# KiCad board panel.kicad_pcb (continued)
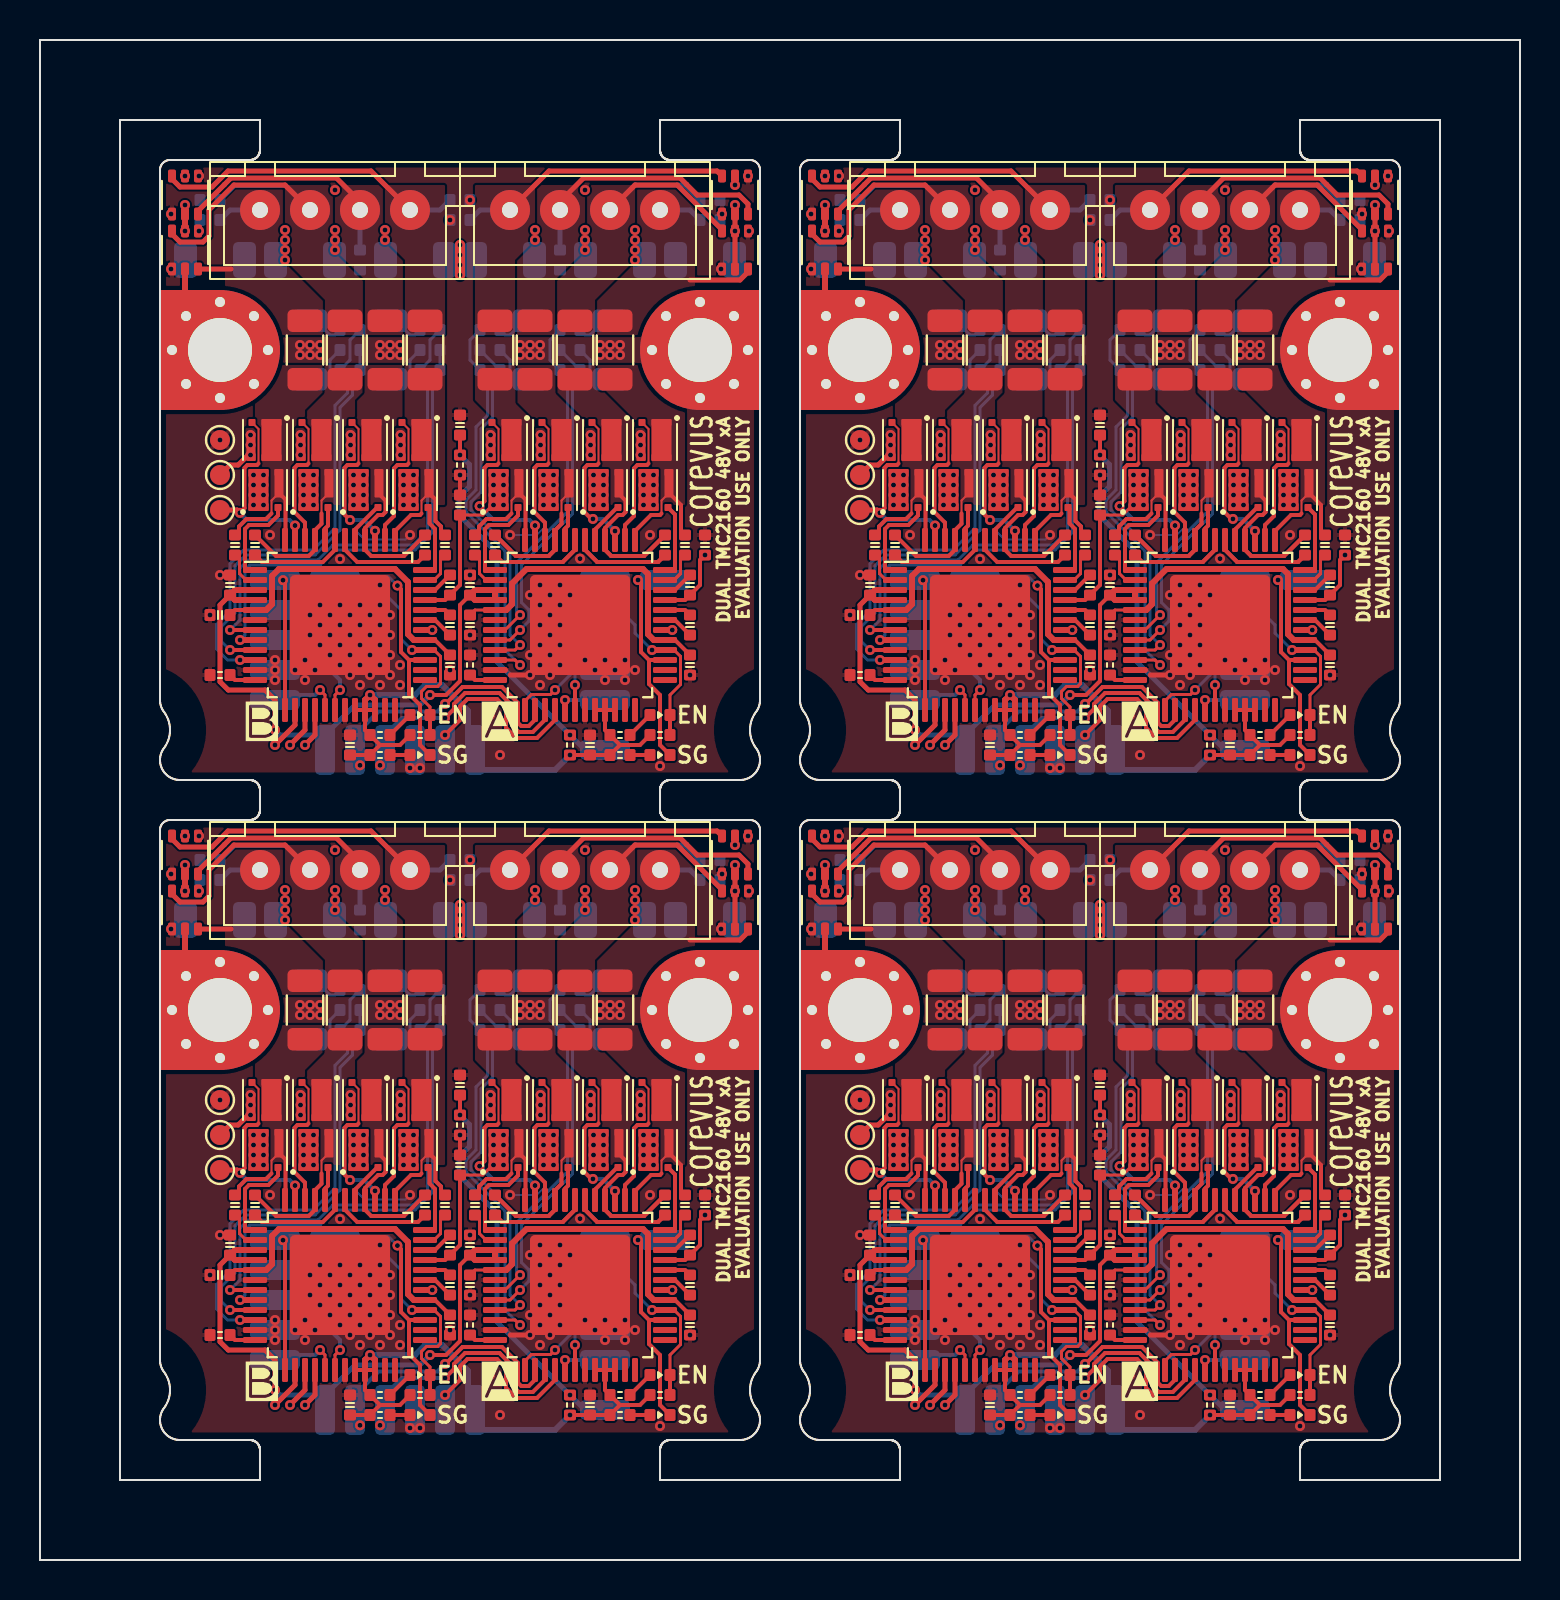
[diagram p0: board, top side]
## Routing (per net, layer and track width the routed paths; a pad name or vN(x,y) marks a point on that pad's centre or on a via; arc(x,y) is an arc through that point) (continued)
  Top w0.25: v1(41.99,52.36) 41.85,52.5 TP5#4.1
  Bottom w0.2: v1(44.75,51.72) 44.47,52 42.35,52 v1(41.99,52.36)
Board_1-/_{MB}LB2: length 6.8
  Top w0.1: Q12#2.3 45.43,56.55 45.43,54.82
  Top w0.2: 45.43,54.82 45.35,54.75 44.87,54.75 44.72,54.6 44.72,52.4 45.25,51.87 U2.46
Board_1-/_{MB}SRAH: length 23.8
  Top w0.2: U2.8 v1(42,46)
  Bottom w0.15: R19#2.2 C41.2 51.62,59.13 51.62,51.37 50.75,50.5 46.75,50.5 46,49.75 42.5,49.75 42.25,49.5 42.25,46.25 v1(42,46)
Board_1-/_{MB}SRAL: length 25.3
  Top w0.2: U2.7 v1(41.5,46.5)
  Bottom w0.15: v1(41.5,46.5) 42,47 42,49.6 42.4,50 45.9,50 46.65,50.75 50.65,50.75 51.38,51.48 51.38,59.13 C41.1 51.5,60 51.5,61 R21#4.2
Board_1-/_{MB}SRBH: length 21.2
  Top w0.2: U2.9 v1(41.5,45.5)
  Bottom w0.15: 48,60.38 C33#2.2 47.62,59.13 47.62,58.25 47,57.62 47,51.5 45.75,50.25 42.29,50.25 41.75,49.71 41.75,47.35 41.07,46.68 41.07,45.92 v1(41.5,45.5)
Board_1-/_{MB}SRBL: length 23.4
  Top w0.2: U2.10 v1(42,45)
  Bottom w0.15: v1(42,45) 41.38,45 40.82,45.55 40.82,46.78 41.5,47.45 41.5,49.81 42.19,50.5 45.65,50.5 46.75,51.6 46.75,57.73 47.38,58.35 47.38,59.12 C33#2.1 47.5,60 47.5,61 R15#2.2
Board_1-/_{MB}Stall: length 13.4
  Top w0.2: v1(49.87,48.72) 50.05,48.54 50.05,45.4 50.45,45 ; 50.45,45 50.45,43.3 51,42.75 51,40.75 D6#3.1 ; 50.45,45 U2.27
  Bottom w0.15: 46.75,48.75 47.18,49.17 49.42,49.17 v1(49.87,48.72)
Board_1-/_{MB}Step: length 2.9
  Top w0.15: U2.17 46.25,43.25 v1(46,43.5)
  Bottom w0.2: 44.5,42.75 45,43.25 45.75,43.25 v1(46,43.5)
Board_1-/_{MB}~{CS}: length 6.5
  Top w0.2: v1(44.15,48.99) 44.25,48.89 U2.13
Board_1-/_{MB}~{En}: length 15.5
  Top w0.15: D5#3.1 51.5,42.65 51.07,43.07 51.07,43.43 51.32,43.67 51.88,43.67 52.03,43.82 52.03,45.18 51.71,45.5 U2.28 v1(50.6,45.5)
  Top w0.2: R4#4.2 D5#3.1
  Bottom w0.15: T19.1 44.5,47.5 45.25,48.25 49.3,48.25 50.05,47.5 50.05,46.05 v1(50.6,45.5)
Board_1-/SCK: length 19.1
  Top w0.2: U1#3.14 56.75,42.01 56.44,41.7 56.06,41.7 55.9,41.86 55.9,42.85 55.1,43.65 53.13,43.65 52.28,42.8 v1(52.25,42.8)
  Top w0.25: v1(43.75,40.75) 44.75,41.75 U2.14
  In4.Cu w0.2: v1(43.75,40.75) 44.55,39.95 47.79,39.95 v1(48,39.74)
  Bottom w0.2: 47.75,41 47.75,41.25 48.93,42.42 51.88,42.42 v1(52.25,42.8)
Board_1-/SDI: length 18.4
  Top w0.2: U1#3.15 57.25,42.01 56.64,41.4 55.93,41.4 55.6,41.73 55.6,42.73 54.98,43.35 53.25,43.35 52.7,42.8 52.7,42.55 v1(52.25,42.1)
  Top w0.25: U2.15 45.25,41.5 v1(44.5,40.75)
  In4.Cu w0.2: v1(49,39.74) 48.49,40.25 45,40.25 v1(44.5,40.75)
  Bottom w0.2: 49.25,41 49.25,41.25 50.1,42.1 v1(52.25,42.1)
Board_1-/SDO: length 19
  Top w0.2: v1(52.25,41.25) 53,42 53,42.68 53.37,43.05 54.85,43.05 55.3,42.6 55.3,41.61 55.81,41.1 56.85,41.1 57.75,42 U1#3.16
  Top w0.25: v1(45.25,40.75) 45.75,41.25 U2.16
  In4.Cu w0.2: v1(45.25,40.75) 45.45,40.55 51.55,40.55 v1(52.25,41.25)
  Bottom w0.15: 52.25,41 52.25,40.25
Board_1-/THERM: length 19.9
  Top w0.2: C13.1 v1(53,55.25)
  Bottom w0.15: 61,40.25 60.25,40.25
  Bottom w0.25: 59.5,40.25 v1(58.5,41.25) 54.85,44.9 54.85,50.35 52.95,52.25 52.95,53.15 53.47,53.67 53.47,54.77 v1(53,55.25)
Board_1-GND: length 8.3
  Top w0.2: C28.2 v1(53,54.25)
  Top w0.25: 55.53,44.25 v1(56.5,44.25) v1(57,44.75) ; U1#3.11 55.28,44.5
  Top w0.3: v1(39.95,69.2) D7.1
  Bottom w0.1: 57.25,51.75 57.25,51.66 56.84,51.25 v1(55.5,51.25) ; 47.75,51.5 48.22,51.02 50.28,51.02 v1(50.5,51.25)
  vias: v1(38.55,67.3) v1(38.55,64.55) v1(39.95,66.45) v1(40.5,47.25) v1(41,56) v1(41,49.25) v1(43.5,51.25) v1(43.75,45) v1(43.75,44.5) v1(43.75,44) v1(44.75,44.5) v1(45,60.75) v1(45,60.25) v1(45.25,45) v1(45.25,44) v1(45.5,60.75) v1(45.5,60.25) v1(45.5,47.25) v1(45.5,46.25) v1(45.75,44.5) v1(46,60.75) v1(46,60.25) v1(46,47.75) v1(46,46.75) v1(46,45.75) v1(46.5,47.25) v1(46.5,46.25) v1(46.5,45.25) v1(46.75,68.5) v1(46.75,66.5) v1(46.75,66) v1(46.75,65.5) v1(47,50.05) v1(47,47.75) v1(47,46.75) v1(47,45.75) v1(47,44.75) v1(47.5,47.25) v1(47.5,46.25) v1(47.5,45.25) v1(47.5,44.25) v1(48,47.75) v1(48,46.75) v1(48,45.75) v1(48,44.75) v1(48,43.75) v1(48.5,47.25) v1(48.5,46.25) v1(48.5,45.25) v1(48.5,44.25) v1(49,60.75) v1(49,60.25) v1(49,48.75) v1(49,47.75) v1(49,46.75) v1(49,45.75) v1(49,44.75) v1(49,43.75) v1(49.25,66.5) v1(49.25,66) v1(49.5,60.75) v1(49.5,60.25) v1(49.5,47.25) v1(49.5,46.25) v1(49.5,45.25) v1(49.5,44.25) v1(50,60.75) v1(50,60.25) v1(50,44.75) v1(50,43.75) v1(50.5,39.6) v1(51,39.6) v1(51.61,46.5) v1(52.5,67) v1(52.5,44.5) v1(53.5,68) v1(53.5,49.25) v1(53.5,46.25) v1(54.5,42.25) v1(55,40.25) v1(56,60.75) v1(56,60.25) v1(56.5,60.75) v1(56.5,60.25) v1(56.5,48.25) v1(56.5,45.25) v1(56.75,66.5) v1(56.75,66) v1(57,60.75) v1(57,60.25) v1(57,48.75) v1(57,47.75) v1(57,46.75) v1(57,45.75) v1(57,43.75) v1(57.5,48.25) v1(57.5,47.25) v1(57.5,46.25) v1(57.5,45.25) v1(57.5,44.25) v1(58,48.75) v1(58,47.75) v1(58,46.75) v1(58,45.75) v1(58,44.75) v1(58.5,48.25) v1(59,50.07) v1(59.25,68.5) v1(59.25,66.5) v1(59.25,66) v1(59.25,65.5) v1(59.25,45) v1(59.75,44.5) v1(60,60.75) v1(60,60.25) v1(60.25,45) v1(60.25,44) v1(60.5,60.75) v1(60.5,60.25) v1(60.75,44.5) v1(61,60.75) v1(61,60.25) v1(61.25,45) v1(61.25,44) v1(61.75,44.5) v1(62.5,51.25) v1(63,39.7) v1(63.61,46.5) v1(64.5,44.25) v1(66.1,67.3) v1(66.05,64.55) v1(67.4,69.2) v1(67.45,66.45)
Board_1-Net-(D1-A): length 1.4
  Top w0.2: R1#2.2 D1.2
Board_1-Net-(D2-A): length 1
  Top w0.2: R16#3.2 D2#2.2
Board_1-Net-(D5-A): length 1.4
  Top w0.2: D5#3.2 R6#4.2
Board_1-Net-(D6-A): length 1
  Top w0.2: R7.2 D6#3.2
Board_1-Net-(NT1-Pad1): length 1
  Bottom w0.15: NT1#2.1 55.5,61.25 55.25,61.25 R9#3.1
Board_1-Net-(NT2-Pad2): length 1
  Bottom w0.15: NT2#2.2 59.5,61.25 59.25,61.25 R12.1
Board_1-Net-(NT3-Pad1): length 1
  Bottom w0.15: R15#2.1 46.75,61.25 46.5,61.25 NT3#4.1
Board_1-Net-(NT4-Pad2): length 1
  Bottom w0.15: NT4#3.2 50.5,61.25 50.75,61.25 R21#4.1
Board_1-Net-(Q2-S-Pad4): length 1.2
  Bottom w0.15: 55.5,59.5 55.5,60 R8.1
  vias: v1(54.53,56.25) v1(54.53,55.75) v1(54.53,55.25) v1(57.03,56.25) v1(57.03,55.75) v1(57.03,55.25)
Board_1-Net-(Q6-S-Pad4): length 1.2
  Bottom w0.15: R11#3.1 59.5,60 59.5,59.5
  vias: v1(59.53,56.25) v1(59.53,55.75) v1(59.53,55.25) v1(62.03,56.25) v1(62.03,55.75) v1(62.03,55.25)
Board_1-Net-(Q10-S-Pad4): length 3.1
  Top w0.25: v1(42.53,55.25) 42.41,55.25 41.91,54.75 41.5,54.75 TP6.1
  Bottom w0.15: 46.5,59.5 46.5,60 R14#4.1
  vias: v1(42.53,56.25) v1(42.53,55.75) v1(45.03,56.25) v1(45.03,55.75) v1(45.03,55.25)
Board_1-Net-(Q14-S-Pad4): length 1.2
  Bottom w0.15: 50.5,59.5 50.5,60 R19#2.1
  vias: v1(47.53,56.25) v1(47.53,55.75) v1(47.53,55.25) v1(50.03,56.25) v1(50.03,55.75) v1(50.03,55.25)
Board_1-Net-(U1-5VOUT): length 16.1
  Top w0.15: C4#4.2 53.75,47.5 U1#3.5
  Top w0.2: C5#4.2 63.75,46 U1#3.29
  Top w0.3: U1#3.5 55.31,47.5 55.6,47.79 55.6,48.83 56.32,49.55 62.15,49.55 62.4,49.3 62.4,46.29 62.69,46 U1#3.29
Board_1-Net-(U1-CA1): length 9.8
  Top w0.2: 59.25,50.51 U1#3.42 59.25,50.51 ; 59.25,50.51 59.86,49.9 ; 59.25,50.51 59.86,49.9 ; 59.86,49.9 62.9,49.9 ; 59.86,49.9 62.9,49.9 ; 62.9,49.9 C10#3.1 62.9,49.9
Board_1-Net-(U1-CA2): length 3.9
  Top w0.15: 64.03,50.02 C11.1 64.03,50.02 ; 64.03,50.02 64.03,49.32 ; 64.03,50.02 64.03,49.32 ; 63.71,49 U1#3.35 63.71,49 ; 63.71,49 64.03,49.32 ; 63.71,49 64.03,49.32
Board_1-Net-(U1-CB1): length 1.9
  Top w0.15: C8#3.1 53.97,50.02 53.97,49.32 54.29,49 U1#3.2
Board_1-Net-(U1-CB2): length 9.8
  Top w0.2: 55.1,49.9 58.14,49.9 ; 55.1,49.9 58.14,49.9 ; 55.1,49.9 C9.1 55.1,49.9 ; 58.14,49.9 58.75,50.51 ; 58.14,49.9 58.75,50.51 ; 58.75,50.51 U1#3.43 58.75,50.51
Board_1-Net-(U1-CLK): length 1.4
  Top w0.2: R3#2.1 53.75,44 U1#3.12
Board_1-Net-(U1-CPI): length 1.4
  Top w0.2: U1#3.32 64.25,47.5 C2#2.2
Board_1-Net-(U1-CPO): length 1.6
  Top w0.2: C2#2.1 63.75,47 U1#3.31
Board_1-Net-(U1-VCP): length 1.6
  Top w0.2: 64.53,49.27 63.75,48.5 U1#3.34
Board_1-Net-(U2-5VOUT): length 16.1
  Top w0.2: U2.29 51.75,46 C25#4.2 ; C24#2.2 41.75,47.5 U2.5
  Top w0.3: U2.29 50.69,46 50.4,46.29 50.4,48.9 49.75,49.55 43.95,49.55 43.6,49.2 43.6,47.79 43.31,47.5 U2.5
Board_1-Net-(U2-CA1): length 4.9
  Top w0.2: C31#2.1 50.9,49.9 47.86,49.9 47.25,50.51 U2.42
Board_1-Net-(U2-CA2): length 1.9
  Top w0.15: U2.35 51.71,49 52.03,49.32 52.03,50.02 C32#4.1
Board_1-Net-(U2-CB1): length 1.9
  Top w0.15: U2.2 42.29,49 41.97,49.32 41.97,50.02 C29#3.1
Board_1-Net-(U2-CB2): length 4.9
  Top w0.2: U2.43 46.75,50.51 46.14,49.9 43.1,49.9 C30#2.1
Board_1-Net-(U2-CLK): length 1.4
  Top w0.2: R5#3.1 41.75,44 U2.12
Board_1-Net-(U2-CPI): length 1.4
  Top w0.2: C23#4.2 52.25,47.5 U2.32
Board_1-Net-(U2-CPO): length 1.6
  Top w0.2: U2.31 51.75,47 C23#4.1
Board_1-Net-(U2-VCP): length 1.6
  Top w0.2: U2.34 51.75,48.5 C22.1
Board_1-VCC: length 28.9
  Top w0.2: U2.21 48.25,41.5 R6#4.1 49,40.75 ; U2.21 U2.20 ; U2.21 U2.22 ; C26.2 R7.1 49,40.75 ; 61,40.75 62,40.75 R2.1 ; 61,40.75 R1#2.1 60.25,41.5 U1#3.21 ; 61,40.75 R16#3.1 C3.2 v1(58.5,40.25) ; R4#4.1 50,40.75 49,40.75 ; U1#3.21 U1#3.22 ; U1#3.21 U1#3.20
  Top w0.3: U2.21 48.25,43 v1(48.5,43.25) 48.75,43 U2.22
  Bottom w0.15: 53.9,40.4 53.75,40.25
  Bottom w0.3: 53.75,40.25 53.4,40.6 53.4,42.46 52.11,43.75 51.25,43.75 50.75,43.25 v1(48.5,43.25) ; 53.75,39.5 57.75,39.5 v1(58.5,40.25)
Board_2-+12V: length 31.1
  Top w0.2: v1(19.5,10.25) 20.3,10.25 21,10.95 21,14.75 C6#2.1
  Top w0.25: C27#2.1 9,14.75 9,10.91 9.41,10.5 11.25,10.5 11.75,10 v1(11.75,8.5)
  Top w0.3: U2#4.3 9.75,15.5 C27#2.1 9.75,15 U2#4.4 ; U1#4.3 21.75,15.5 C6#2.1 21.75,15 U1#4.4 U1#4.3
  Bottom w0.25: 14.25,8.25 12,8.25 v1(11.75,8.5) ; 14.25,8.25 15.75,9.75 19,9.75 v1(19.5,10.25) ; 14.25,8.25 14.25,7.25
Board_2-+48V: length 19.1
  Top w0.15: C28#3.1 22.13,19.25 22.63,19.75 v1(22.68,19.75)
  Top w0.2: v1(33.25,17.25) 33,17 33,15.75 C1.2 32.25,15 U1#4.33 ; C28#3.1 21,15.75 20.25,15 U2#4.33
  Top w0.25: v1(34.75,34.75) D3#2.5 v1(34.75,33.45) D4.2 ; D3#2.2 v1(34.75,35.75)
  Top w0.3: v1(7.25,34.75) D7#3.5 v1(7.25,33.45) ; D8#4.2 7.25,30
  Top w0.5: v1(21,32.75) v1(21,31.25)
  vias: v1(7.25,36.2) v1(10.67,21.25) v1(10.67,20.75) v1(10.67,20.25) v1(10.67,19.75) v1(11.17,21.25) v1(11.17,20.75) v1(11.17,20.25) v1(11.17,19.75) v1(12.25,33.5) v1(12.25,33) v1(12.25,32.5) v1(12.25,32) v1(13.17,21.25) v1(13.17,20.75) v1(13.17,20.25) v1(13.17,19.75) v1(13.67,21.25) v1(13.67,20.75) v1(13.67,20.25) v1(13.67,19.75) v1(15.67,21.25) v1(15.67,20.75) v1(15.67,20.25) v1(15.67,19.75) v1(16.17,21.25) v1(16.17,20.75) v1(16.17,20.25) v1(16.17,19.75) v1(18.18,21.25) v1(18.18,20.75) v1(18.18,20.25) v1(18.18,19.75) v1(18.68,21.25) v1(18.68,20.75) v1(18.68,20.25) v1(18.68,19.75) v1(21,32.25) v1(21,31.75) v1(22.68,21.25) v1(22.68,20.75) v1(22.68,20.25) v1(23.18,21.25) v1(23.18,20.75) v1(23.18,20.25) v1(23.18,19.75) v1(25.18,21.25) v1(25.18,20.75) v1(25.18,20.25) v1(25.18,19.75) v1(25.68,21.25) v1(25.68,20.75) v1(25.68,20.25) v1(25.68,19.75) v1(27.68,21.25) v1(27.68,20.75) v1(27.68,20.25) v1(27.68,19.75) v1(28.18,21.25) v1(28.18,20.75) v1(28.18,20.25) v1(28.18,19.75) v1(29.75,33.5) v1(29.75,33) v1(29.75,32.5) v1(29.75,32) v1(30.18,21.25) v1(30.18,20.75) v1(30.18,20.25) v1(30.18,19.75) v1(30.68,21.25) v1(30.68,20.75) v1(30.68,20.25) v1(30.68,19.75)
Board_2-/_{MA}A1: length 11.5
  Top w0.15: 28.95,20.35 Q5#3.7
  Top w0.2: U1#4.40 28.25,18.6 28.9,19.25 29.13,19.25 29.28,19.4 29.28,19.97 29,20.25 ; U1#4.40 28.25,17.51 ; U1#4.40 28.25,17.51 ; 28.25,17.51 28.56,17.2 ; 28.25,17.51 28.56,17.2 ; 28.56,17.2 30.2,17.2 ; 28.56,17.2 30.2,17.2 ; 30.2,17.2 C10#4.2 30.2,17.2
Board_2-/_{MA}A1': length 12.4
  Top w0.25: D4.6 34.1,33.51 31.86,35.75 29.75,35.75 J1#3.3
  Bottom w0.25: J1#3.3 29.75,35.75 32.25,35.75 C17#3.2
Board_2-/_{MA}A2: length 5.7
  Top w0.1: 31.45,20.35 31.07,19.97 31.07,19.32
  Top w0.2: C11#3.2 32.05,18.45 32.05,19.75 31.45,20.35 ; U1#4.37 29.75,18.45 30.55,19.25 31,19.25 31.07,19.32
Board_2-/_{MA}A2': length 5.4
  Top w0.25: 32.5,31 35,31 35.4,31.4 D4.3
  Bottom w0.25: J1#3.4 32.5,34.5 C16#2.2
Board_2-/_{MA}B1: length 6.1
  Top w0.1: 23.95,20.35 23.57,19.97 23.57,19.32
  Top w0.2: 23.95,20.35 24.28,20.02 24.28,18.02 U1#4.48 ; 23.57,19.32 23.3,19.05 22.32,19.05 21.95,18.68 21.95,18.45 C8#2.2
Board_2-/_{MA}B1': length 13.7
  Top w0.25: D3#2.3 33.85,36.45 25.45,36.45 J1#3.1
  Bottom w0.25: C19#3.2 22,34.5 J1#3.1
Board_2-/_{MA}B2: length 10.7
  Top w0.1: 26.07,19.32 26.07,19.97 26.45,20.35
  Top w0.2: 25.75,17.51 25.44,17.2 ; 25.75,17.51 U1#4.45 ; 25.75,17.51 25.44,17.2 ; 25.75,17.51 U1#4.45 ; 25.44,17.2 23.8,17.2 ; 25.44,17.2 23.8,17.2 ; 23.8,17.2 C9#4.2 23.8,17.2 ; U1#4.45 25.75,18.49 26.07,18.82 26.07,19.32
Board_2-/_{MA}B2': length 13.3
  Top w0.25: J1#3.2 26,34.92 27.18,36.1 32.01,36.1 32.86,35.25 34.95,35.25 35.4,34.8 D3#2.6
  Bottom w0.25: C18#4.2 J1#3.2
Board_2-/_{MA}Dir: length 4.6
  Top w0.2: U1#4.18 v1(26.75,10.75)
  Bottom w0.15: v1(26.75,10.75) 26.75,12.25 27.5,13 T13.1
Board_2-/_{MA}HA1: length 2.1
  Top w0.2: U1#4.41 27.75,18.52 28.85,19.62 Q5#3.3
Board_2-/_{MA}HA2: length 3.3
  Top w0.2: 31.75,16.5 31.75,19.27 Q7.3
Board_2-/_{MA}HB1: length 4.5
  Top w0.15: Q1#3.3 23.83,19.55
  Top w0.2: 22.25,16.5 22.25,18.55 22.45,18.75 23.42,18.75 23.9,19.23 Q1#3.3
Board_2-/_{MA}HB2: length 1.8
  Top w0.15: 26.32,19.55 Q3#2.3
  Top w0.2: U1#4.44 26.25,18.57 26.4,18.72 Q3#2.3
Board_2-/_{MA}LA1: length 8
  Top w0.1: Q6#3.3 27.93,23.55 27.93,21.82
  Top w0.15: v1(28.75,18.45) U1#4.39
  Top w0.2: v1(27.65,19.05) 27.57,19.05 27.22,19.4 27.22,21.6 27.37,21.75 27.85,21.75 27.93,21.82 ; U1#4.39 v1(28.75,18.45)
  Bottom w0.2: v1(27.65,19.05) 28.15,19.05 v1(28.75,18.45)
Board_2-/_{MA}LA2: length 7.2
  Top w0.1: Q8#3.3 30.43,23.55 30.43,21.82
  Top w0.15: U1#4.38 29.25,18.46
  Top w0.2: U1#4.38 29.25,18.75 29.7,19.2 29.7,21.58 29.87,21.75 30.35,21.75 30.43,21.82
Board_2-/_{MA}LB1: length 8.9
  Top w0.1: 22.93,21.82 22.93,23.55 Q2.3
  Top w0.2: v1(24.75,18.72) U1#4.47 ; 22.93,21.82 22.85,21.75 22.37,21.75 22.22,21.6 22.22,19.94 v1(21.98,19.7)
  Bottom w0.2: v1(24.75,18.72) 24.47,19 22.68,19 v1(21.98,19.7)
Board_2-/_{MA}LB2: length 6.8
  Top w0.1: 25.43,21.82 25.43,23.55 Q4.3
  Top w0.2: 25.43,21.82 25.35,21.75 24.87,21.75 24.72,21.6 24.72,19.4 25.25,18.87 U1#4.46
Board_2-/_{MA}SRAH: length 17.4
  Top w0.15: v1(24,13.5) 23.5,13 U1#4.8
  Bottom w0.15: R11#2.2 C21#4.2 26.62,26.13 26.62,19.3 24.07,16.75 24.07,14.87 24.45,14.5 24.45,13.95 v1(24,13.5)
Board_2-/_{MA}SRAL: length 17.5
  Top w0.15: U1#4.7 23.25,13.5 v1(24,14.25)
  Bottom w0.15: R12#2.2 25.5,28 25.5,27 C21#4.1 26.38,26.13 26.38,19.41 23.82,16.86 23.82,14.42 v1(24,14.25)
Board_2-/_{MA}SRBH: length 18.1
  Top w0.15: v1(24,12.75) 23.75,12.5 U1#4.9
  Bottom w0.15: v1(24,12.75) 23.5,13.25 23.5,17.55 21.55,19.5 21.55,19.9 22.05,20.4 22.05,23.55 22.62,24.12 22.62,26.13 C20#4.2 R8#3.2
Board_2-/_{MA}SRBL: length 20.2
  Top w0.15: v1(24,11.75) 23.75,12 U1#4.10
  Bottom w0.15: v1(24,11.75) 23.25,12.5 23.25,17.45 21.3,19.4 21.3,20 21.8,20.5 21.8,23.65 22.38,24.23 22.38,26.12 C20#4.1 21.5,27 21.5,28 R9#4.2
Board_2-/_{MA}Stall: length 11.6
  Top w0.2: 30.45,12 30.45,10.8 31,10.25 31,7.75 D2#4.1 ; 30.45,12 30.05,12.4 30.05,15.85 v1(29.9,16) ; 30.45,12 U1#4.27
  Bottom w0.5: v1(29.9,16) T17#4.1
Board_2-/_{MA}Step: length 2.6
  Top w0.2: U1#4.17 v1(26.25,10)
  Bottom w0.2: 28.25,9.75 28,10 v1(26.25,10)
Board_2-/_{MA}~{CS}: length 8
  Top w0.15: v1(25.75,10.5) 25.52,10.27 24.57,10.27 24.25,9.96 U1#4.13
  Bottom w0.15: 27.07,15.75 27.07,15.22 26.75,14.9 26.75,12.6 26.5,12.35 26.5,11.25 v1(25.75,10.5)
Board_2-/_{MA}~{En}: length 8.3
  Top w0.15: D1#4.1 31.5,10.25 32.03,10.77 32.03,12.18 31.71,12.5 U1#4.28 v1(30.6,12.5)
  Top w0.2: R2#4.2 D1#4.1
  Bottom w0.15: 29.05,14.45 29.75,13.75 29.75,13.35 v1(30.6,12.5)
Board_2-/_{MB}A1: length 7.5
  Top w0.15: 16.95,20.35 Q13#3.7
  Top w0.2: C31#4.2 18.2,17.2 16.56,17.2 16.25,17.51 U2#4.40 16.25,18.6 16.9,19.25 17.13,19.25 17.28,19.4 17.28,19.97 17,20.25
Board_2-/_{MB}A1': length 11.8
  Top w0.25: J2#2.3 16,34.92 14.82,36.1 9.55,36.1 7.9,34.45 D7#3.6
  Bottom w0.25: C35#2.2 J2#2.3
Board_2-/_{MB}A2: length 5.7
  Top w0.1: 19.07,19.32 19.07,19.97 19.45,20.35
  Top w0.2: 19.45,20.35 19.78,20.02 19.78,18.95 20.05,18.68 20.05,18.45 C32#3.2 ; U2#4.37 17.75,18.45 18.55,19.25 19,19.25 19.07,19.32
Board_2-/_{MB}A2': length 15.6
  Top w0.25: D7#3.3 6.6,36.05 7,35.65 8.6,35.65 9.4,36.45 16.55,36.45 J2#2.4
  Bottom w0.25: J2#2.4 20,34.5 C34#3.2
Board_2-/_{MB}B1: length 6.1
  Top w0.1: 11.95,20.35 11.58,19.97 11.58,19.32
  Top w0.2: U2#4.48 12.28,18.02 12.28,20.02 11.95,20.35 ; 11.58,19.32 11.3,19.05 10.32,19.05 9.95,18.68 9.95,18.45 C29.2
Board_2-/_{MB}B1': length 3.9
  Top w0.25: D8#4.3 9.55,31.55
  Bottom w0.25: J2#2.1 9.5,34.5 C37.2
Board_2-/_{MB}B2: length 6.7
  Top w0.1: 14.08,19.32 14.08,19.97 14.45,20.35
  Top w0.2: 14.08,19.32 14.08,18.82 13.75,18.49 U2#4.45 13.75,17.51 13.44,17.2 11.8,17.2 C30#4.2
Board_2-/_{MB}B2': length 15.3
  Top w0.25: D8#4.6 6.6,33.3 7,32.9 8.15,32.9 8.45,33.2 8.45,34.51 9.69,35.75 12.25,35.75 J2#2.2
  Bottom w0.25: 13.75,34.25 J2#2.2 12.28,35.73 9.72,35.73 C36#2.2
Board_2-/_{MB}Dir: length 4.6
  Top w0.15: v1(15,10.5) 14.75,10.25 U2#4.18
  Bottom w0.2: v1(15,10.5) 15,11 13.25,12.75 12.75,12.75
Board_2-/_{MB}HA1: length 2.1
  Top w0.2: Q13#3.3 16.85,19.62 15.75,18.52 U2#4.41
Board_2-/_{MB}HA2: length 3.3
  Top w0.2: Q15#2.3 19.47,19.55 19.47,18.83 19.75,18.55 19.75,16.5
Board_2-/_{MB}HB1: length 4.5
  Top w0.15: Q9#4.3 11.83,19.55
  Top w0.2: Q9#4.3 11.9,19.23 11.42,18.75 10.45,18.75 10.25,18.55 10.25,16.5
Board_2-/_{MB}HB2: length 1.8
  Top w0.15: 14.33,19.55 Q11.3
  Top w0.2: Q11.3 14.4,18.72 14.25,18.57 U2#4.44
Board_2-/_{MB}LA1: length 7.6
  Top w0.1: 15.92,21.82 15.92,23.55 Q14#4.3
  Top w0.2: U2#4.39 v1(16.75,18.46) ; 15.92,21.82 15.85,21.75 15.37,21.75 15.22,21.6 15.22,19.27 v1(15.5,19)
  Bottom w0.2: v1(15.5,19) 16.21,19 v1(16.75,18.46)
Board_2-/_{MB}LA2: length 7.2
  Top w0.1: 18.43,21.82 18.43,23.55 Q16.3
  Top w0.15: U2#4.38 17.25,18.46
  Top w0.2: 18.43,21.82 18.35,21.75 17.87,21.75 17.7,21.58 17.7,19.2 17.25,18.75 U2#4.38
Board_2-/_{MB}LB1: length 10.1
  Top w0.1: Q10.3 10.92,23.55 10.92,21.82
  Top w0.2: 10.92,21.82 10.85,21.75 10.37,21.75 10.22,21.6 10.22,19.59 v1(9.99,19.36) ; v1(12.75,18.72) U2#4.47
  Top w0.25: v1(9.99,19.36) 9.85,19.5 TP5.1
  Bottom w0.2: v1(9.99,19.36) 10.35,19 12.47,19 v1(12.75,18.72)
Board_2-/_{MB}LB2: length 6.8
  Top w0.1: Q12#4.3 13.42,23.55 13.42,21.82
  Top w0.2: 13.42,21.82 13.35,21.75 12.87,21.75 12.72,21.6 12.72,19.4 13.25,18.87 U2#4.46
Board_2-/_{MB}SRAH: length 23.8
  Top w0.2: U2#4.8 v1(10,13)
  Bottom w0.15: R19.2 C41#4.2 19.62,26.13 19.62,18.37 18.75,17.5 14.75,17.5 14,16.75 10.5,16.75 10.25,16.5 10.25,13.25 v1(10,13)
Board_2-/_{MB}SRAL: length 25.3
  Top w0.2: U2#4.7 v1(9.5,13.5)
  Bottom w0.15: v1(9.5,13.5) 10,14 10,16.6 10.4,17 13.9,17 14.65,17.75 18.65,17.75 19.38,18.48 19.38,26.13 C41#4.1 19.5,27 19.5,28 R21#2.2
Board_2-/_{MB}SRBH: length 21.2
  Top w0.2: U2#4.9 v1(9.5,12.5)
  Bottom w0.15: 16,27.38 C33#3.2 15.62,26.13 15.62,25.25 15,24.62 15,18.5 13.75,17.25 10.29,17.25 9.75,16.71 9.75,14.35 9.08,13.68 9.08,12.92 v1(9.5,12.5)
Board_2-/_{MB}SRBL: length 23.4
  Top w0.2: U2#4.10 v1(10,12)
  Bottom w0.15: v1(10,12) 9.38,12 8.83,12.55 8.83,13.78 9.5,14.45 9.5,16.81 10.19,17.5 13.65,17.5 14.75,18.6 14.75,24.73 15.38,25.35 15.38,26.12 C33#3.1 15.5,27 15.5,28 R15#4.2
Board_2-/_{MB}Stall: length 13.4
  Top w0.2: 18.45,12 18.45,10.3 19,9.75 19,7.75 D6#2.1 ; 18.45,12 18.05,12.4 18.05,15.54 v1(17.87,15.72) ; 18.45,12 U2#4.27
  Bottom w0.15: 14.75,15.75 15.17,16.17 17.42,16.17 v1(17.87,15.72)
Board_2-/_{MB}Step: length 2.9
  Top w0.15: v1(14,10.5) 14.25,10.25 U2#4.17
  Bottom w0.2: v1(14,10.5) 13.75,10.25 13,10.25 12.5,9.75
Board_2-/_{MB}~{CS}: length 6.5
  Top w0.2: v1(12.15,15.99) 12.25,15.89 U2#4.13
Board_2-/_{MB}~{En}: length 15.5
  Top w0.15: D5.1 19.5,9.65 19.07,10.07 19.07,10.43 19.32,10.67 19.88,10.67 20.03,10.82 20.03,12.18 19.71,12.5 U2#4.28 v1(18.6,12.5)
  Top w0.2: R4#3.2 D5.1
  Bottom w0.15: T19#3.1 12.5,14.5 13.25,15.25 17.3,15.25 18.05,14.5 18.05,13.05 v1(18.6,12.5)
Board_2-/SCK: length 19.1
  Top w0.2: v1(20.25,9.8) 20.28,9.8 21.13,10.65 23.1,10.65 23.9,9.85 23.9,8.86 24.06,8.7 24.44,8.7 24.75,9.01 U1#4.14
  Top w0.25: v1(11.75,7.75) 12.75,8.75 U2#4.14
  In4.Cu w0.2: v1(16,6.74) 15.79,6.95 12.55,6.95 v1(11.75,7.75)
  Bottom w0.2: v1(20.25,9.8) 19.88,9.42 16.93,9.42 15.75,8.25 15.75,8
Board_2-/SDI: length 18.4
  Top w0.2: U1#4.15 25.25,9.01 24.64,8.4 23.93,8.4 23.6,8.73 23.6,9.73 22.98,10.35 21.25,10.35 20.7,9.8 20.7,9.55 v1(20.25,9.1)
  Top w0.25: v1(12.5,7.75) 13.25,8.5 U2#4.15
  In4.Cu w0.2: v1(17,6.74) 16.49,7.25 13,7.25 v1(12.5,7.75)
  Bottom w0.2: v1(20.25,9.1) 18.1,9.1 17.25,8.25 17.25,8
Board_2-/SDO: length 19
  Top w0.2: v1(20.25,8.25) 21,9 21,9.68 21.37,10.05 22.85,10.05 23.3,9.6 23.3,8.61 23.81,8.1 24.85,8.1 25.75,9 U1#4.16
  Top w0.25: v1(13.25,7.75) 13.75,8.25 U2#4.16
  In4.Cu w0.2: v1(20.25,8.25) 19.55,7.55 13.45,7.55 v1(13.25,7.75)
  Bottom w0.15: 20.25,8 20.25,7.25
Board_2-/THERM: length 19.9
  Top w0.2: C13#4.1 v1(21,22.25)
  Bottom w0.15: 29,7.25 28.25,7.25
  Bottom w0.25: v1(21,22.25) 21.47,21.77 21.47,20.67 20.95,20.15 20.95,19.25 22.85,17.35 22.85,11.9 v1(26.5,8.25) 27.5,7.25
Board_2-GND: length 8.3
  Top w0.2: C28#3.2 v1(21,21.25)
  Top w0.25: 23.53,11.25 v1(24.5,11.25) v1(25,11.75) ; U1#4.11 23.28,11.5
  Top w0.3: v1(7.95,36.2) D7#3.1
  Bottom w0.1: v1(18.5,18.25) 18.28,18.02 16.22,18.02 15.75,18.5 ; v1(23.5,18.25) 24.84,18.25 25.25,18.66 25.25,18.75
  vias: v1(6.55,34.3) v1(6.55,31.55) v1(7.95,33.45) v1(8.5,14.25) v1(9,23) v1(9,16.25) v1(11.5,18.25) v1(11.75,12) v1(11.75,11.5) v1(11.75,11) v1(12.75,11.5) v1(13,27.75) v1(13,27.25) v1(13.25,12) v1(13.25,11) v1(13.5,27.75) v1(13.5,27.25) v1(13.5,14.25) v1(13.5,13.25) v1(13.75,11.5) v1(14,27.75) v1(14,27.25) v1(14,14.75) v1(14,13.75) v1(14,12.75) v1(14.5,14.25) v1(14.5,13.25) v1(14.5,12.25) v1(14.75,35.5) v1(14.75,33.5) v1(14.75,33) v1(14.75,32.5) v1(15,17.05) v1(15,14.75) v1(15,13.75) v1(15,12.75) v1(15,11.75) v1(15.5,14.25) v1(15.5,13.25) v1(15.5,12.25) v1(15.5,11.25) v1(16,14.75) v1(16,13.75) v1(16,12.75) v1(16,11.75) v1(16,10.75) v1(16.5,14.25) v1(16.5,13.25) v1(16.5,12.25) v1(16.5,11.25) v1(17,27.75) v1(17,27.25) v1(17,15.75) v1(17,14.75) v1(17,13.75) v1(17,12.75) v1(17,11.75) v1(17,10.75) v1(17.25,33.5) v1(17.25,33) v1(17.5,27.75) v1(17.5,27.25) v1(17.5,14.25) v1(17.5,13.25) v1(17.5,12.25) v1(17.5,11.25) v1(18,27.75) v1(18,27.25) v1(18,11.75) v1(18,10.75) v1(18.5,6.6) v1(19,6.6) v1(19.61,13.5) v1(20.5,34) v1(20.5,11.5) v1(21.5,35) v1(21.5,16.25) v1(21.5,13.25) v1(22.5,9.25) v1(23,7.25) v1(24,27.75) v1(24,27.25) v1(24.5,27.75) v1(24.5,27.25) v1(24.5,15.25) v1(24.5,12.25) v1(24.75,33.5) v1(24.75,33) v1(25,27.75) v1(25,27.25) v1(25,15.75) v1(25,14.75) v1(25,13.75) v1(25,12.75) v1(25,10.75) v1(25.5,15.25) v1(25.5,14.25) v1(25.5,13.25) v1(25.5,12.25) v1(25.5,11.25) v1(26,15.75) v1(26,14.75) v1(26,13.75) v1(26,12.75) v1(26,11.75) v1(26.5,15.25) v1(27,17.07) v1(27.25,35.5) v1(27.25,33.5) v1(27.25,33) v1(27.25,32.5) v1(27.25,12) v1(27.75,11.5) v1(28,27.75) v1(28,27.25) v1(28.25,12) v1(28.25,11) v1(28.5,27.75) v1(28.5,27.25) v1(28.75,11.5) v1(29,27.75) v1(29,27.25) v1(29.25,12) v1(29.25,11) v1(29.75,11.5) v1(30.5,18.25) v1(31,6.7) v1(31.61,13.5) v1(32.5,11.25) v1(34.1,34.3) v1(34.05,31.55) v1(35.4,36.2) v1(35.45,33.45)
Board_2-Net-(D1-A): length 1.4
  Top w0.2: R1#4.2 D1#4.2
Board_2-Net-(D2-A): length 1
  Top w0.2: R16#2.2 D2#4.2
Board_2-Net-(D5-A): length 1.4
  Top w0.2: D5.2 R6.2
Board_2-Net-(D6-A): length 1
  Top w0.2: R7#2.2 D6#2.2
Board_2-Net-(NT1-Pad1): length 1
  Bottom w0.15: R9#4.1 23.25,28.25 23.5,28.25 NT1.1
Board_2-Net-(NT2-Pad2): length 1
  Bottom w0.15: NT2#3.2 27.5,28.25 27.25,28.25 R12#2.1
Board_2-Net-(NT3-Pad1): length 1
  Bottom w0.15: R15#4.1 14.75,28.25 14.5,28.25 NT3#3.1
Board_2-Net-(NT4-Pad2): length 1
  Bottom w0.15: R21#2.1 18.75,28.25 18.5,28.25 NT4#2.2
Board_2-Net-(Q2-S-Pad4): length 1.2
  Bottom w0.15: 23.5,26.5 23.5,27 R8#3.1
  vias: v1(22.53,23.25) v1(22.53,22.75) v1(22.53,22.25) v1(25.03,23.25) v1(25.03,22.75) v1(25.03,22.25)
Board_2-Net-(Q6-S-Pad4): length 1.2
  Bottom w0.15: 27.5,26.5 27.5,27 R11#2.1
  vias: v1(27.53,23.25) v1(27.53,22.75) v1(27.53,22.25) v1(30.03,23.25) v1(30.03,22.75) v1(30.03,22.25)
Board_2-Net-(Q10-S-Pad4): length 3.1
  Top w0.25: TP6#4.1 9.5,21.75 9.91,21.75 10.41,22.25 v1(10.53,22.25)
  Bottom w0.15: 14.5,26.5 14.5,27 R14#2.1
  vias: v1(10.53,23.25) v1(10.53,22.75) v1(13.03,23.25) v1(13.03,22.75) v1(13.03,22.25)
Board_2-Net-(Q14-S-Pad4): length 1.2
  Bottom w0.15: 18.5,26.5 18.5,27 R19.1
  vias: v1(15.53,23.25) v1(15.53,22.75) v1(15.53,22.25) v1(18.03,23.25) v1(18.03,22.75) v1(18.03,22.25)
Board_2-Net-(U1-5VOUT): length 16.1
  Top w0.15: U1#4.5 21.75,14.5 C4.2
  Top w0.2: C5#3.2 31.75,13 U1#4.29
  Top w0.3: U1#4.5 23.31,14.5 23.6,14.79 23.6,15.83 24.32,16.55 30.15,16.55 30.4,16.3 30.4,13.29 30.69,13 U1#4.29
Board_2-Net-(U1-CA1): length 9.8
  Top w0.2: 27.25,17.51 U1#4.42 27.25,17.51 ; 27.25,17.51 27.86,16.9 ; 27.25,17.51 27.86,16.9 ; 30.9,16.9 C10#4.1 30.9,16.9 ; 30.9,16.9 27.86,16.9 ; 30.9,16.9 27.86,16.9
